# Altium PCB 3-as-manufactured.pcbdoc (part 4 of 12)
Units mil, origin at the board's own origin, x right, y up, seen from the top; angles counter-clockwise.
Board outline 2728 x 2217 mil, 8 copper layers (L1_TOP, L2_GND, L3_INNER1, L4_GND, L5_PWR, L6_INNER2, L7_GND, L8_BOT), stack 48.618 mil thick; 227 components, 321 nets, 1592 pads, 1187 vias.
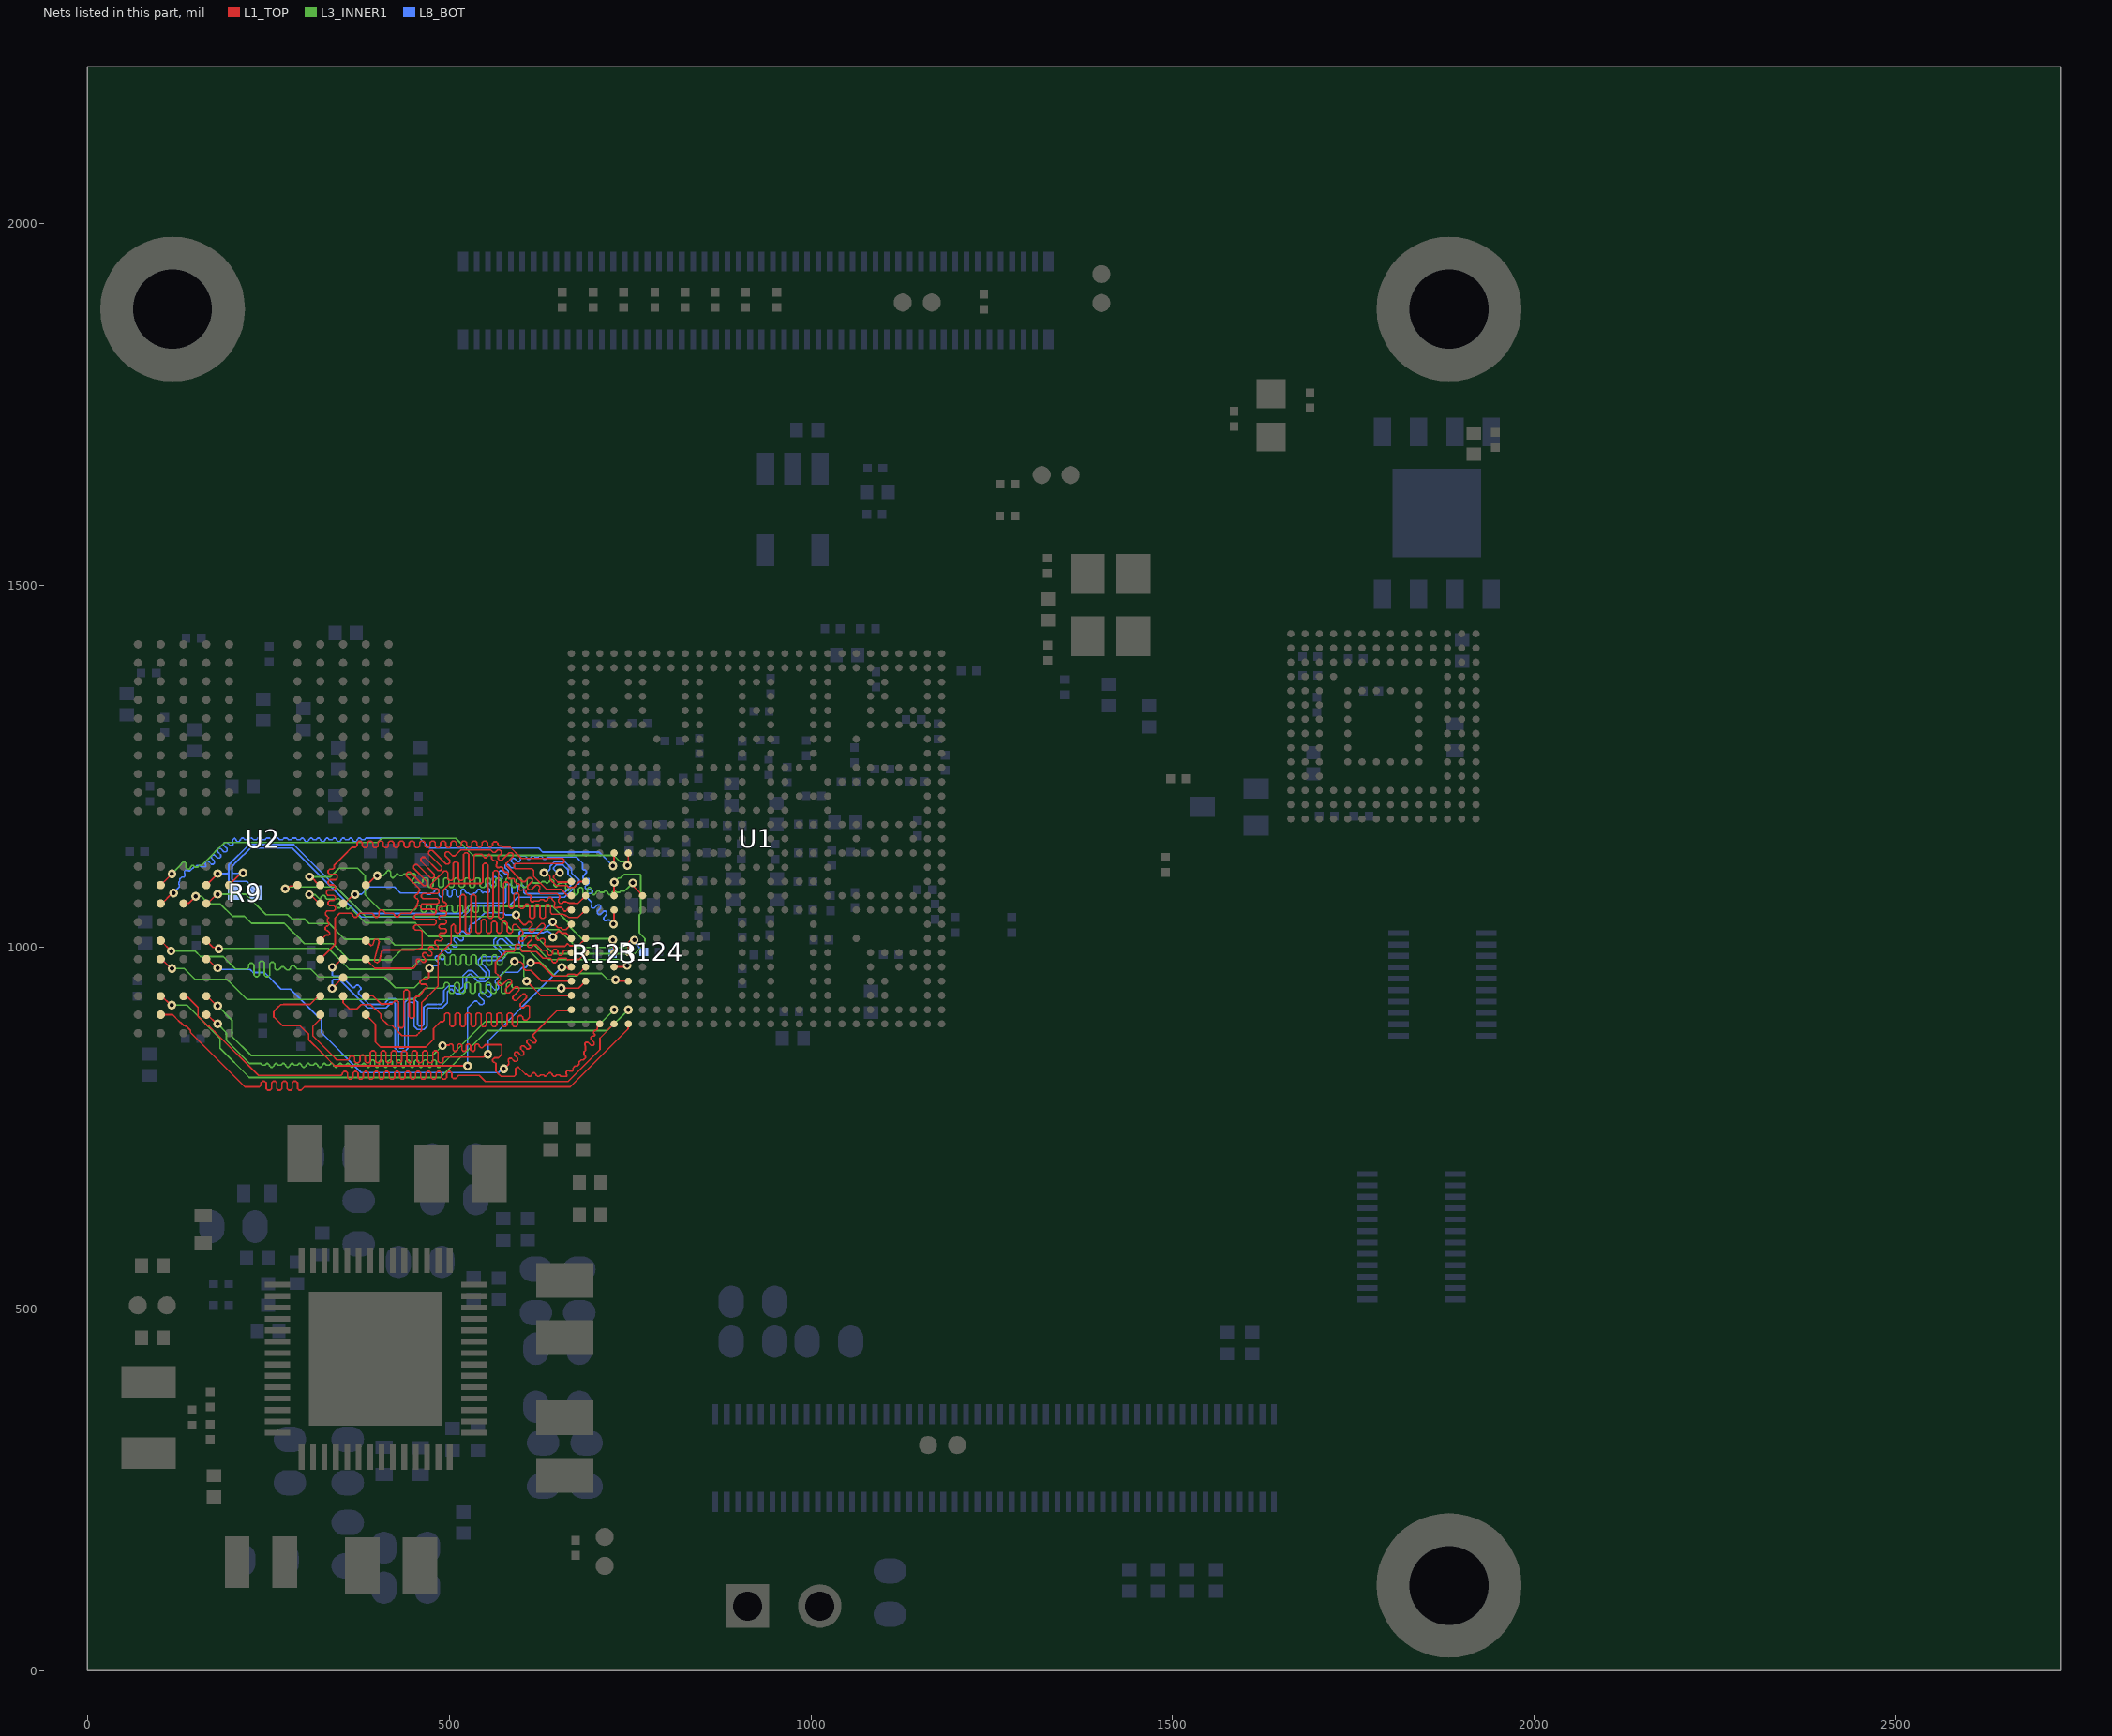
[diagram p10: the nets of this part, all layers, seen from the top]

## Via types
v1: diameter 12, hole 5.9, L1_TOP to L8_BOT, tented both sides, 1041 vias
v2: diameter 18, hole 8, L1_TOP to L8_BOT, tented both sides, 146 vias

## Nets (pads, with @x,y where several pads share a name; then routed paths per layer and width w, separated by ;. In a path a pad name is that pad's centre, name@x,y a point inside that pad or via, vN(x,y) a via of type N, cw(c..) or ccw(c..) an arc to the next point about the centre after c; other vN are vias at no path point) (continued)
DRAMB_CA1: U1.V6 U2.J2 | length 734.6
  L1_TOP w2.2: U2.J2@385.06,1085.92 386.53,1085.92 399.33,1098.72 v1(400.81,1098.72) ; v1(753.89,1088.9) 753.89,1085.28 767.41,1071.76 U1.V6@767.41,1071.16
  L3_INNER1 w2.2: v1(400.81,1098.72) 408.86,1098.72 413.25,1103.11 413.25,1104.11 415.28,1106.15 417.29,1106.15 419.32,1104.11 419.32,1098.04 421.36,1096 423.36,1096 425.4,1098.04 425.4,1099.04 427.44,1101.07 429.44,1101.07 431.47,1099.04 435.48,1099.04 437.52,1101.07 448.84,1101.07 449.55,1101.78 452.43,1101.78 453.85,1100.37 453.85,1097.49 449.55,1093.19 449.55,1090.31 450.97,1088.89 453.85,1088.89 454.55,1089.6 457.43,1089.6 458.37,1088.67 460.75,1088.67 461.85,1088.67 463.65,1090.47 463.65,1093.76 465.45,1095.56 469.05,1095.56 470.85,1093.76 470.85,1084.81 472.65,1083.01 476.25,1083.01 478.05,1084.81 478.05,1093.76 479.85,1095.56 483.45,1095.56 485.25,1093.76 485.25,1084.81 487.05,1083.01 490.65,1083.01 492.45,1084.81 492.45,1093.76 494.25,1095.56 497.85,1095.56 499.65,1093.76 499.65,1084.81 501.45,1083.01 505.05,1083.01 506.85,1084.81 506.85,1093.76 508.65,1095.56 512.25,1095.56 514.05,1093.76 514.05,1084.81 515.85,1083.01 519.45,1083.01 521.25,1084.81 521.25,1093.76 523.05,1095.56 526.65,1095.56 528.45,1093.76 528.45,1084.55 530.25,1082.75 533.85,1082.75 535.65,1084.55 535.65,1093.76 537.45,1095.56 541.05,1095.56 542.85,1093.76 542.85,1084.39 544.65,1082.59 548.25,1082.59 550.05,1084.39 550.05,1093.76 551.85,1095.56 555.45,1095.56 557.25,1093.76 557.25,1084.81 559.05,1083.01 562.65,1083.01 564.45,1084.81 564.45,1093.76 566.25,1095.56 569.85,1095.56 571.65,1093.76 571.65,1084.39 573.45,1082.59 577.05,1082.59 578.85,1084.39 578.85,1093.76 580.65,1095.56 584.25,1095.56 586.05,1093.76 586.05,1084.81 587.85,1083.01 591.45,1083.01 593.25,1084.81 593.25,1093.76 595.05,1095.56 598.65,1095.56 600.45,1093.76 600.45,1084.77 602.25,1082.97 605.85,1082.97 607.65,1084.77 607.65,1093.76 609.45,1095.56 613.05,1095.56 614.85,1093.76 614.85,1090.47 616.65,1088.67 618.34,1088.67 626.41,1088.67 628.45,1090.7 632.45,1090.7 634.49,1088.67 636.49,1088.67 638.53,1090.7 638.53,1091.7 640.57,1093.74 642.57,1093.74 644.6,1091.7 644.6,1085.63 646.64,1083.59 648.64,1083.59 650.68,1085.63 650.68,1086.63 652.72,1088.67 656.56,1088.67 657.27,1089.37 660.15,1089.37 661.57,1087.96 661.57,1085.08 660.86,1084.37 660.86,1081.49 664.63,1077.72 666.66,1079.76 666.66,1080.76 668.7,1082.8 670.7,1082.8 672.74,1080.76 672.74,1074.68 674.78,1072.65 676.78,1072.65 678.81,1074.68 678.81,1080.76 680.85,1082.8 682.85,1082.8 684.89,1080.76 684.89,1074.68 686.93,1072.65 688.93,1072.65 690.97,1074.68 690.97,1080.76 693,1082.8 695,1082.8 697.04,1080.76 697.04,1074.68 699.08,1072.65 701.08,1072.65 703.12,1074.68 703.12,1075.68 705.15,1077.72 707.16,1077.72 709.19,1075.68 713.2,1075.68 715.23,1077.72 717.23,1077.72 719.27,1075.68 719.27,1074.68 721.31,1072.65 723.31,1072.65 725.35,1074.68 725.35,1075.68 727.38,1077.72 729.39,1077.72 731.42,1075.68 735.43,1075.68 737.46,1077.72 742.7,1077.72 748.19,1083.21 v1(753.89,1088.9)
DRAMB_CA2: U1.AC4 U2.H9 | length 646.5
  L1_TOP w2.2: U2.H9@164.59,1060.33 166.06,1060.33 178.86,1073.13 v1(180.33,1073.13) ; U1.AC4@728.04,972.74 744.23,972.74 v1(746.13,974.64)
  L3_INNER1 w2.2: v1(180.33,1073.13) 218.87,1073.13 247,1045 277,1045 283,1039 300.35,1039 306.8,1032.55 334.45,1032.55 356,1011 417,1011 425.1,1002.9 618.1,1002.9 637.96,983.04 737.73,983.04 v1@746.12,974.65
DRAMB_CA3: U1.AD5 U2.H10 | length 682.9
  L1_TOP w2.2: U2.H10@133.09,1060.33 133.78,1061.02 140.63,1061.02 v1(149.89,1070.28) ; v1(729.98,954.98) 731.91,953.05 U1.AD5@747.73,953.05
  L3_INNER1 w2.2: v1@149.9,1070.3 157.95,1070.28 163.04,1065.19 168.13,1060.1 183.52,1060.1 189.32,1054.3 195.11,1048.51 200.91,1042.71 217.19,1042.71 222.05,1037.86 226.9,1033.01 272.24,1033.01 283.44,1021.8 289.05,1016.2 300.26,1004.99 339.56,1004.99 361.92,982.62 420.31,982.62 435.37,997.68 599.17,997.68 602.05,994.8 611.2,994.8 646,960 676.59,960 680.36,963.77 710.94,963.77 719.62,955.09 729.87,955.09 v1(729.98,954.98)
DRAMB_CA4: U1.R4 U2.H11 | length 816.2
  L1_TOP w2.2: U2.H11@101.6,1060.33 103.31,1060.33 117.65,1074.67 v1(119.36,1074.67) ; v1(726.52,1112.27) 728.04,1113.79 U1.R4@728.04,1130.22
  L8_BOT w2.2: v1(119.36,1074.67) 119.36,1075.55 127.23,1083.42 127.23,1086.3 126.53,1087.01 126.53,1089.89 127.94,1091.31 127.94,1094.19 130.77,1097.02 133.65,1097.02 135.07,1098.44 135.07,1101.32 134.36,1102.02 134.36,1104.9 135.78,1106.32 138.66,1106.32 139.37,1105.61 142.25,1105.61 147.75,1111.12 149.75,1111.12 151.79,1113.15 155.79,1113.15 157.83,1111.12 159.83,1111.12 163.77,1111.12 163.77,1114 163.06,1114.7 163.06,1117.59 164.47,1119 167.35,1119 171.65,1114.7 174.53,1114.7 175.95,1116.12 175.95,1119 171.65,1123.3 171.65,1126.18 173.07,1127.59 175.95,1127.59 180.24,1123.3 183.12,1123.3 184.54,1124.71 184.54,1127.59 180.24,1131.89 180.24,1134.77 181.66,1136.19 184.54,1136.19 188.83,1131.89 191.71,1131.89 193.13,1133.3 193.13,1136.19 188.83,1140.48 188.83,1143.36 190.25,1144.78 193.13,1144.78 197.43,1140.48 200.31,1140.48 201.72,1141.9 201.72,1144.78 201.01,1145.49 201.01,1148.37 203.54,1150.89 205.57,1148.85 205.57,1147.85 207.61,1145.81 209.61,1145.81 211.65,1147.85 211.65,1148.85 213.69,1150.89 215.69,1150.89 217.72,1148.85 221.73,1148.85 223.76,1150.89 225.77,1150.89 227.77,1150.89 229.81,1148.85 233.81,1148.85 235.85,1150.89 237.85,1150.89 239.85,1150.89 241.89,1148.85 245.89,1148.85 247.93,1150.89 249.93,1150.89 251.93,1150.89 253.97,1148.85 257.97,1148.85 260.01,1150.89 262.01,1150.89 264.01,1150.89 266.05,1148.85 270.05,1148.85 272.09,1150.89 274.09,1150.89 276.1,1150.89 278.13,1148.85 282.14,1148.85 284.17,1150.89 286.17,1150.89 288.18,1150.89 290.21,1148.85 294.22,1148.85 296.25,1150.89 298.26,1150.89 300.29,1148.85 300.29,1147.85 302.33,1145.81 304.33,1145.81 306.37,1147.85 306.37,1148.85 308.41,1150.89 310.41,1150.89 312.44,1148.85 316.45,1148.85 318.48,1150.89 320.49,1150.89 322.52,1148.85 322.52,1147.85 324.56,1145.81 326.56,1145.81 328.6,1147.85 328.6,1148.85 330.64,1150.89 332.64,1150.89 334.67,1148.85 338.68,1148.85 340.72,1150.89 342.72,1150.89 344.75,1148.85 344.75,1147.85 346.79,1145.81 348.79,1145.81 350.83,1147.85 350.83,1148.85 352.87,1150.89 354.87,1150.89 356.91,1148.85 360.91,1148.85 362.95,1150.89 364.95,1150.89 366.99,1148.85 366.99,1147.85 369.02,1145.81 371.02,1145.81 373.06,1147.85 373.06,1148.85 375.1,1150.89 377.1,1150.89 379.14,1148.85 383.14,1148.85 385.18,1150.89 387.18,1150.89 395.19,1150.89 403.21,1150.89 411.22,1150.89 419.24,1150.89 427.25,1150.89 435.26,1150.89 443.28,1150.89 451.29,1150.89 459.31,1150.89 464.36,1145.83 469.42,1140.78 473.12,1137.07 623.83,1137.07 629.51,1131.39 707.39,1131.39 714.47,1124.31 720.83,1117.95 v1(726.52,1112.27)
DRAMB_CA5: U1.R5 U2.J11 | length 720
  L1_TOP w2.2: U2.J11@101.6,1085.92 v1(117.13,1101.45) ; v1(746.52,1112.9) 747.73,1114.11 U1.R5@747.73,1130.22
  L3_INNER1 w2.2: v1@117.15,1101.44 122.83,1107.15 128.56,1112.87 130.59,1114.9 130.59,1115.91 132.63,1117.94 134.63,1117.94 136.67,1115.91 136.67,1109.83 138.71,1107.79 140.71,1107.79 142.74,1109.83 142.74,1110.83 144.78,1112.87 146.78,1112.87 148.82,1110.83 152.82,1110.83 154.86,1112.87 157.79,1112.87 163.13,1118.21 168.47,1123.55 173.82,1128.89 179.16,1134.23 184.5,1139.58 189.84,1144.92 304.38,1144.92 339.62,1144.92 401.3,1144.92 407.04,1150.66 500.91,1150.66 509.45,1150.66 515.38,1144.73 527.23,1132.87 533.16,1126.94 630.42,1126.94 683.47,1126.94 727.68,1126.94 731.86,1122.76 736.05,1118.58 740.83,1118.58 v1(746.52,1112.9)
DRAMB_CK_C: R9.2 U1.U1 U2.J9 | length 773.3
  L1_TOP w2.3: U2.J9@164.59,1085.92 v1(180.27,1101.6) ; v1(652.84,1102.9) 649.52,1102.9 644.39,1097.77 644.39,1095.86 650.25,1090 663.04,1090 663.09,1090.05 668.19,1090.05 U1.U1@668.98,1090.84
  L8_BOT w2.3: v1(180.27,1101.6) 193.52,1101.6 195.43,1103.51 ; R9.2@203.56,1075.75 199.16,1080.15 199.16,1087.85 195.43,1091.58 195.43,1103.51 ; v1@652.72,1102.75 649.67,1102.75 644.39,1108.03 644.39,1109.94 648.3,1113.85 657.38,1113.85 664.65,1106.58 664.65,1100.36 673.09,1091.92 673.09,1090.01 665.57,1082.49 665.57,1081.49 657.85,1073.77 604.91,1073.77 603.25,1075.43 603.25,1083.94 601.59,1085.6 596.61,1085.6 594.95,1083.94 594.95,1075.43 593.29,1073.77 588.31,1073.77 586.65,1075.43 586.65,1085.15 584.99,1086.81 580.01,1086.81 578.35,1085.15 578.35,1063.02 576.69,1061.36 575.54,1061.36 531.99,1061.36 517.22,1046.59 380.79,1046.59 285.48,1141.9 223.52,1141.9 195.43,1113.81 195.43,1103.51
DRAMB_CK_T: R9.1 U1.U2 U2.J8 | length 798.9
  L1_TOP w2.3: U2.J8@196.09,1085.92 212.89,1102.72 v1(215.39,1102.72) ; v1(631.14,1102.9) 634.46,1102.9 639.59,1097.77 639.59,1093.88 648.27,1085.2 663.09,1085.2 665.6,1082.69 672.36,1082.69 680.51,1090.84 U1.U2@688.67,1090.84
  L8_BOT w2.3: v1(215.39,1102.72) 214.82,1102.16 201.57,1102.16 200.23,1103.51 ; 225.22,1085.95 225.22,1086.23 220.41,1091.03 202.77,1091.03 200.23,1093.57 200.23,1103.51 ; 225.23,1085.94 225.23,1083.6 R9.1@233.08,1075.75 ; v1@631.93,1102.27 633.83,1102.27 639.59,1108.03 639.59,1111.92 646.32,1118.65 659.36,1118.65 669.45,1108.57 669.45,1102.35 676.13,1095.66 677.23,1095.66 679.42,1093.47 679.34,1087.64 677.5,1087.64 670.37,1080.5 670.37,1079.51 659.83,1068.97 594.95,1068.97 582.53,1056.56 533.98,1056.56 519.21,1041.79 378.8,1041.79 308.75,1111.84 283.49,1137.1 225.51,1137.1 206.4,1118 200.23,1111.82 200.23,1103.51
DRAMB_CKE0: R123.2 U1.AB4 U2.J4 | length 669
  L1_TOP w2.2: v1(307.38,1097.29) 309.04,1097.29 320.41,1085.92 U2.J4@322.07,1085.92 ; v1(726.29,1010.19) 728.04,1008.44 U1.AB4@728.04,992.42
  L3_INNER1 w2.2: v1(307.38,1097.29) 336.25,1097.29 348.28,1109.32 373.69,1109.32 384,1099.01 384,1072.14 404.7,1051.44 451.27,1051.44 452.38,1051.44 454.18,1053.24 454.18,1056.22 455.98,1058.02 459.58,1058.02 461.38,1056.22 461.38,1050.04 463.18,1048.24 466.78,1048.24 468.58,1050.04 468.58,1056.22 470.38,1058.02 473.98,1058.02 475.78,1056.22 475.78,1050.04 477.58,1048.24 481.18,1048.24 482.98,1050.04 482.98,1056.22 484.78,1058.02 488.38,1058.02 490.18,1056.22 490.18,1050.04 491.98,1048.24 495.58,1048.24 497.38,1050.04 497.38,1056.22 499.18,1058.02 502.78,1058.02 504.58,1056.22 504.58,1050.04 506.38,1048.24 509.98,1048.24 511.78,1050.04 511.78,1056.22 513.58,1058.02 517.18,1058.02 518.98,1056.22 518.98,1050.04 520.78,1048.24 524.38,1048.24 526.18,1050.04 526.18,1056.22 527.98,1058.02 531.58,1058.02 533.38,1056.22 533.38,1050.04 535.18,1048.24 538.78,1048.24 540.58,1050.04 540.58,1056.22 542.38,1058.02 545.98,1058.02 547.78,1056.22 547.78,1050.04 549.58,1048.24 553.18,1048.24 554.98,1050.04 554.98,1056.22 556.78,1058.02 560.38,1058.02 562.18,1056.22 562.18,1050.04 563.98,1048.24 567.58,1048.24 569.38,1050.04 569.38,1054.5 571.18,1056.3 579.26,1056.3 642.78,1056.3 665.59,1033.49 665.59,1029.41 683.38,1011.62 724.86,1011.62 v1(726.29,1010.19)
  L8_BOT w2.2: R123.2@726,989.86 726.29,990.15 v1(726.29,1010.19)
DRAMB_CKE1: R124.2 U1.AB5 U2.J5 | length 585.9
  L1_TOP w2.2: v1(273.56,1080.83) 276.78,1080.83 280.45,1084.5 289.15,1084.5 U2.J5@290.57,1085.92 ; U1.AB5@747.73,992.42 747.72,1006.48 751.02,1009.78 v1(755.89,1009.78)
  L3_INNER1 w2.2: v1(273.56,1080.83) 275.98,1083.25 343.75,1083.25 384.72,1042.28 567.72,1042.28 585.62,1024.38 651.62,1024.38 676.41,999.59 745.7,999.59 v1(755.89,1009.78)
  L8_BOT w2.2: v1(755.89,1009.78) 755.89,1006.79 R124.2@768.6,994.08
DRAMB_DATA0: U1.AB2 U2.B2 | length 875
  L1_TOP w2.2: U2.B2@385.06,906.79 398.2,893.65 398.2,868.8 405,862 468,862 478.61,872.61 478.61,887.56 488.05,897 490.67,897 491.77,897 493.93,899.16 493.93,907.02 496.09,909.18 498.97,909.18 501.13,907.02 501.13,892.63 503.29,890.47 506.17,890.47 508.33,892.63 508.33,907.02 510.49,909.18 513.37,909.18 515.53,907.02 515.53,892.48 517.69,890.32 520.57,890.32 522.73,892.48 522.73,907.02 524.89,909.18 527.77,909.18 529.93,907.02 529.93,892.48 532.09,890.32 534.97,890.32 537.13,892.48 537.13,907.02 539.29,909.18 542.17,909.18 544.33,907.02 544.33,892.48 546.49,890.32 549.37,890.32 551.53,892.48 551.53,907.02 553.69,909.18 556.57,909.18 558.73,907.02 558.73,892.48 560.89,890.32 563.77,890.32 565.93,892.48 565.93,907.02 568.09,909.18 570.97,909.18 573.13,907.02 573.13,892.48 575.29,890.32 578.17,890.32 580.33,892.48 580.33,907.02 582.49,909.18 585.37,909.18 587.53,907.02 587.53,892.48 589.69,890.32 592.57,890.32 594.73,892.48 594.73,903.31 596.89,905.47 599.77,905.47 601.93,903.31 601.93,901.3 604.09,899.14 607.14,899.14 608.95,900.95 611,903 611,918 610.28,918.72 609.5,919.5 606.45,919.5 603.45,916.5 600.39,916.5 598.36,918.53 598.36,921.59 606.95,930.18 606.95,933.24 604.91,935.27 601.86,935.27 593.27,926.68 590.21,926.68 588.18,928.72 588.18,931.77 596.77,940.36 596.77,943.42 594.73,945.46 591.68,945.46 583.08,936.86 580.03,936.86 577.99,938.9 577.99,941.95 586.59,950.55 586.59,953.6 584.55,955.64 581.49,955.64 572.9,947.05 569.85,947.05 567.81,949.08 567.81,952.14 570.81,955.14 570.81,958.19 567.24,961.76 564,965 564,979.35 578.65,994 588.35,994 589.45,994 591.61,996.16 591.61,1001.97 593.77,1004.13 596.65,1004.13 598.81,1001.97 598.81,996.16 600.97,994 620.56,994 629.92,984.64 639.85,984.64 642.01,982.48 642.01,980.82 644.17,978.66 647.05,978.66 649.21,980.82 649.21,982.48 651.37,984.64 656.54,984.64 661.89,984.64 663.94,982.6 667.6,982.91 ; 667.6,982.92 674.13,982.92 674.29,983.08 679.33,983.08 U1.AB2@688.67,992.42
DRAMB_DATA1: U1.AA2 U2.C2 | length 708.5
  L1_TOP w2.2: U2.C2@385.06,932.38 385.79,933.11 394.42,933.11 405.58,921.95 405.95,921.58 421.03,921.58 425.23,925.78 428.28,925.78 430.44,923.62 430.44,890.69 432.6,888.53 435.48,888.53 437.64,890.69 437.64,938.95 439.8,941.11 442.68,941.11 444.84,938.95 444.84,904.22 447,902.06 449.88,902.06 452.04,904.22 452.04,929.84 454.2,932 455.96,932 458.95,932 ; 458.74,932.01 461.8,936.11 464.85,940.22 464.85,940.64 466.89,942.67 467.89,942.67 469.93,944.71 469.93,946.71 467.89,948.75 461.82,948.75 459.78,950.79 459.78,952.79 461.82,954.83 463.49,954.83 464.78,956.11 470.11,956.11 472.25,958.25 472.25,970.34 v1(473.04,971.13) ; v1(592.65,1044.7) 592.65,1043.54 598.33,1037.86 598.33,1035.68 599.32,1034.68 602.77,1031.24 605.82,1031.24 609.48,1034.9 612.54,1034.9 614.57,1032.86 614.57,1029.81 610.82,1026.05 610.82,1023 612.85,1020.96 615.91,1020.96 627.52,1032.58 630.58,1032.58 632.62,1030.54 632.62,1027.49 620.01,1014.89 620.01,1011.83 622.05,1009.8 625.11,1009.8 627.3,1011.99 630.36,1011.99 632.39,1009.95 632.39,1006.9 631.97,1006.48 631.97,1003.43 634.13,1001.27 638.5,1001.27 660.07,1001.27 663.67,1004.87 667.17,1002.01 678.57,1002 U1.AA2@688.67,1012.1
  L8_BOT w2.2: v1(473.04,971.13) 475.64,971.13 479.23,974.71 483.81,974.71 485.22,976.13 485.22,979.01 480.93,983.31 480.93,986.19 482.34,987.6 485.22,987.6 489.52,983.31 492.4,983.31 493.81,984.72 493.81,987.6 489.52,991.9 489.52,994.78 490.93,996.19 493.81,996.19 498.11,991.9 500.99,991.9 502.41,993.31 502.41,996.19 498.11,1000.49 498.11,1003.37 499.52,1004.79 502.41,1004.79 506.7,1000.49 509.58,1000.49 511,1001.91 511,1004.79 506.7,1009.08 506.7,1011.96 508.12,1013.38 511,1013.38 515.29,1009.08 518.17,1009.08 519.59,1010.5 519.59,1013.38 515.29,1017.68 515.29,1020.56 516.71,1021.97 519.59,1021.97 523.89,1017.68 526.77,1017.68 528.18,1019.09 528.18,1021.97 527.47,1022.68 527.47,1025.56 528.89,1026.98 528.89,1029.86 531.72,1032.69 534.6,1032.69 536.02,1034.1 540.47,1038.56 544.93,1043.02 549.39,1047.47 575.34,1047.47 578.11,1044.7 v1(592.65,1044.7)
DRAMB_DATA2: U1.W1 U2.F2 | length 857.9
  L1_TOP w2.2: U2.F2@385.06,1009.15 391.29,1002.92 392.18,1002.03 394.84,1003.54 396.55,1009.86 399.2,1011.37 401.98,1010.62 403.5,1007.97 396.48,982.15 397.99,979.49 400.77,978.74 403.42,980.26 407.35,994.69 410,996.21 412.23,996.21 452.41,996.21 457.67,997.77 462.9,999.32 462.9,1020.49 462.9,1021.59 460.74,1023.75 453.49,1023.75 451.33,1025.91 451.33,1028.79 453.49,1030.95 479.99,1030.95 482.15,1033.11 482.15,1035.99 479.99,1038.15 453.49,1038.15 451.33,1040.31 451.33,1043.19 453.49,1045.35 479.8,1045.35 481.96,1047.51 481.96,1050.39 479.8,1052.55 462.86,1052.55 460.7,1054.71 460.7,1057.59 462.86,1059.75 483.8,1059.75 485.96,1061.91 485.96,1064.79 483.8,1066.95 464,1066.95 461.84,1069.11 461.84,1071.99 464,1074.15 483.8,1074.15 485.96,1076.31 485.96,1079.19 483.8,1081.35 476.82,1081.35 474.66,1083.51 474.66,1086.56 486.03,1097.93 490.19,1102.1 491.24,1103.14 491.29,1103.2 493.28,1105.18 496.33,1105.18 498.49,1103.02 498.49,1094.36 500.65,1092.2 503.53,1092.2 505.69,1094.36 505.69,1115.85 507.85,1118.01 510.73,1118.01 512.89,1115.85 512.89,1094.36 515.05,1092.2 517.93,1092.2 520.09,1094.36 520.09,1128.19 522.25,1130.35 525.13,1130.35 527.29,1128.19 527.29,1094.36 529.45,1092.2 532.33,1092.2 534.49,1094.36 534.49,1126.61 536.65,1128.77 543.07,1128.77 545.13,1128.77 547.17,1126.73 547.17,1125.73 549.2,1123.69 551.21,1123.69 553.24,1125.73 553.24,1126.73 555.28,1128.77 558.94,1125.11 558.94,1122.22 561.78,1119.39 564.66,1119.39 566.07,1117.98 566.07,1115.1 565.36,1114.39 565.36,1111.51 566.78,1110.09 569.66,1110.09 570.37,1110.8 573.25,1110.8 574.66,1109.39 574.66,1106.51 577.49,1103.67 580.38,1103.67 581.79,1102.26 581.79,1099.38 581.08,1098.67 581.08,1095.79 582.5,1094.37 585.38,1094.37 586.09,1095.08 588.97,1095.08 590.38,1093.67 590.38,1090.79 593.21,1087.95 596.09,1087.95 597.51,1086.54 597.51,1083.66 596.8,1082.95 596.8,1080.07 598.22,1078.65 601.1,1078.65 601.81,1079.36 604.69,1079.36 606.1,1077.95 606.1,1075.07 608.93,1072.24 611.81,1072.24 613.23,1070.82 613.23,1067.94 612.52,1067.23 612.52,1064.35 613.94,1062.94 616.82,1062.94 617.53,1063.64 624.25,1063.64 626.29,1065.68 630.29,1065.68 632.33,1063.64 634.33,1063.64 636.37,1065.68 636.37,1066.68 638.4,1068.72 640.4,1068.72 642.44,1066.68 642.44,1065.68 645.9,1062.22 645.9,1059.34 645.2,1058.63 645.2,1055.75 646.61,1054.33 649.49,1054.33 650.2,1055.04 655.26,1055.04 657.3,1053 657.3,1052 659.34,1049.96 661.34,1049.96 663.38,1052 663.38,1053 665.41,1055.04 U1.W1@668.98,1051.48
DRAMB_DATA3: U1.W2 U2.E2 | length 941.8
  L1_TOP w2.2: U2.E2@385.06,983.56 397.72,970.9 451.26,970.9 455.49,976.43 455.49,978.59 454.78,979.3 454.78,982.18 456.2,983.59 459.08,983.59 463.38,979.3 466.26,979.3 467.67,980.71 467.67,983.59 463.38,987.89 463.38,990.77 464.79,992.19 467.67,992.19 471.97,987.89 474.85,987.89 476.26,989.3 476.26,992.19 471.97,996.48 471.97,999.36 473.38,1000.78 476.26,1000.78 480.56,996.48 483.44,996.48 484.86,997.9 484.86,1000.78 480.56,1005.07 480.56,1007.95 481.98,1009.37 484.86,1009.37 485.56,1008.66 488.45,1008.66 491.23,1011.45 489.19,1013.48 488.19,1013.48 486.16,1015.52 486.16,1017.52 488.19,1019.56 494.27,1019.56 496.31,1021.6 496.31,1023.6 494.27,1025.64 488.19,1025.64 486.16,1027.67 486.16,1029.67 488.19,1031.71 494.27,1031.71 496.31,1033.75 496.31,1035.75 494.27,1037.79 488.19,1037.79 486.16,1039.82 486.16,1041.83 488.19,1043.86 494.27,1043.86 496.31,1045.9 496.31,1047.9 494.27,1049.94 488.19,1049.94 486.16,1051.97 486.16,1053.98 488.19,1056.01 494.27,1056.01 496.31,1058.05 496.31,1060.05 494.27,1062.09 493.27,1062.09 491.23,1064.13 491.23,1078.23 501,1088 543.29,1088 544.39,1088 546.55,1090.16 546.55,1113.88 548.71,1116.04 551.59,1116.04 553.75,1113.88 553.75,1041.96 555.91,1039.8 558.79,1039.8 560.95,1041.96 560.95,1103.73 563.11,1105.89 565.99,1105.89 568.15,1103.73 568.15,1041.96 570.31,1039.8 573.19,1039.8 575.35,1041.96 575.35,1088.01 577.51,1090.17 580.39,1090.17 582.55,1088.01 582.55,1055.96 584.71,1053.8 587.59,1053.8 589.75,1055.96 589.75,1072.49 591.91,1074.65 594.79,1074.65 596.95,1072.49 596.95,1055.43 599.11,1053.27 601.99,1053.27 604.15,1055.43 604.15,1057.47 606.31,1059.63 609.19,1059.63 611.35,1057.47 611.35,1041.96 613.51,1039.8 616.39,1039.8 618.55,1041.96 618.55,1056.95 620.71,1059.11 623.59,1059.11 625.75,1056.95 625.75,1041.96 627.91,1039.8 630.79,1039.8 632.95,1041.96 632.95,1057.28 635.11,1059.44 637.99,1059.44 640.15,1057.28 640.15,1047.94 642.31,1045.78 657.4,1045.78 659.64,1044.61 660.74,1044.04 661.71,1043.54 666.02,1041.3 672.91,1041.29 673.2,1041 678.19,1041 U1.W2@688.67,1051.48